# Altium PCB TTL Clock.PcbDoc (part 1 of 2) (continued)
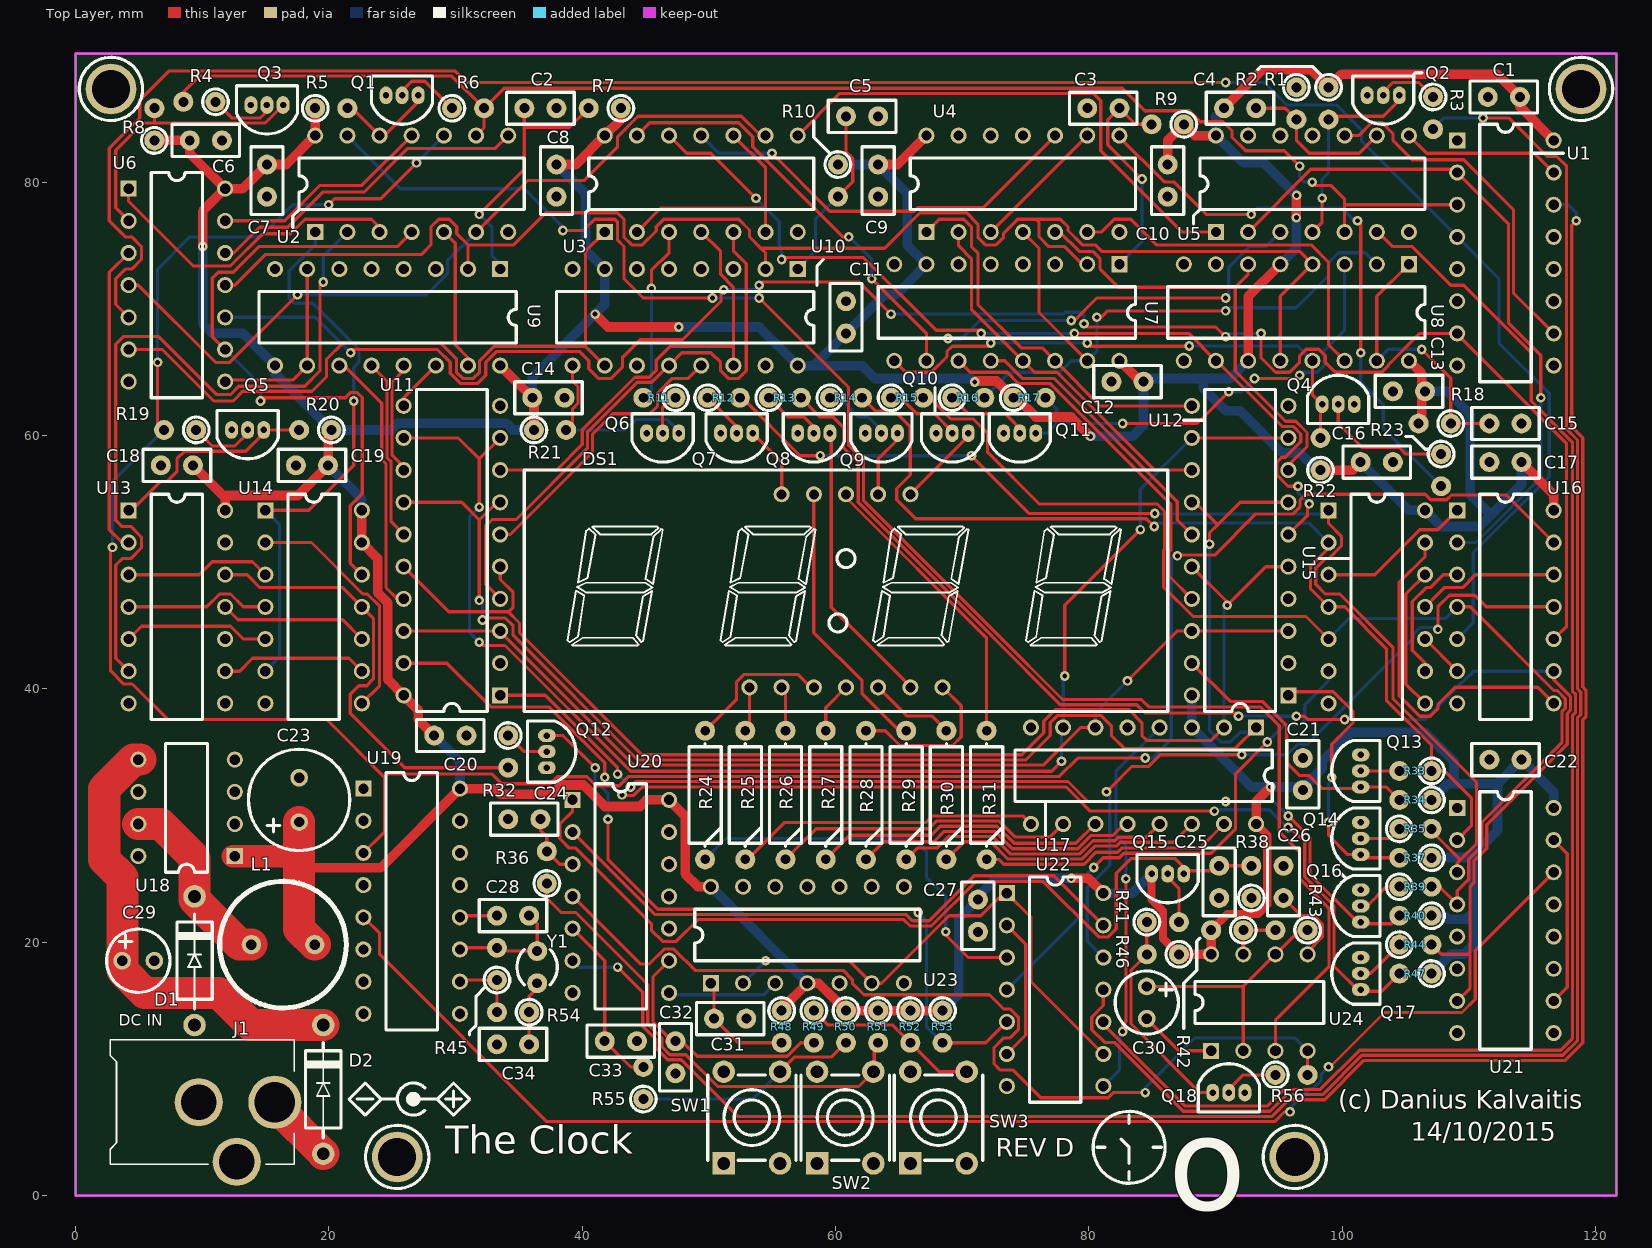
[diagram p0: Top Layer view]
## Footprints (in the part's own frame and the unit in brackets; to place one, negate y for a bottom-side part, rotate by r counter-clockwise, add the part's x,y. Pads: shape width x height; smd on the part's side, far side on the other; paste and mask are expansions set on the pad)
1N500X [mil]
  round 70 hole 40: A(0,0) K(400,0)
  silkscreen extent 50,-55 345,55, body extent -14,-56 416,56, height 116
C_Pol_Radial_22uF [mil] "2.5mm diameter"
  round 55 hole 32: 1(-50,0) 2(50,0)
  silkscreen extent -98,-98 98,98, body extent -100,-100 100,100, height 521
C_POL_Radial_220uF [mil] "8mmx12mm 3.5mm pitch"
  round 55 hole 32: 1(-68.9,0) 2(68.9,0)
  silkscreen extent -157,-157 157,157, body extent -157,-157 158,157, height 484
CONN_PWR_JACK_2.1x5.5mm [mil]
  round 165 hole 126: 1(0,-539.37)
  round 150 hole 110: 2(0,-303.15) 3(-185.04,-421.26)
  silkscreen extent -193,-600 194,-28, body extent -193,-555 177,0, height 433
"CTH radial 100mil" [mil] "Capacitor through hole radial 100mil pitch"
  round 62 hole 31: 1(0,0) 2(100,0)
  silkscreen extent -55,-50 155,50, body extent -58,-49 158,49, height 217
DIP8 [mil]
  rect 50x50 hole 33: 1(0,0)
  round 50 hole 33: 2(0,-100) 3(0,-200) 4(0,-300) 5(300,-300) 6(300,-200) 7(300,-100) 8(300,0)
  silkscreen extent 85,-350 215,50, body extent -4,-345 304,45, height 180
DIP14 [mil]
  rect 50x50 hole 32: 1(0,0)
  round 50 hole 32: 2(0,-100) 3(0,-200) 4(0,-300) 5(0,-400) 6(0,-500) 7(0,-600) 8(300,-600) 9(300,-500) 10(300,-400) 11(300,-300) 12(300,-200) 13(300,-100) 14(300,0)
  silkscreen extent 70,-650 230,50, body extent 0,-675 310,75, height 165
DIP16 [mil]
  rect 50x50 hole 32: 1(0,0)
  round 50 hole 32: 2(0,-100) 3(0,-200) 4(0,-300) 5(0,-400) 6(0,-500) 7(0,-600) 8(0,-700) 9(300,-700) 10(300,-600) 11(300,-500) 12(300,-400) 13(300,-300) 14(300,-200) 15(300,-100) 16(300,0)
  silkscreen extent 70,-750 230,50, body extent -5,-775 305,75, height 165
DIP20 [mil]
  rect 50x50 hole 32: 1(0,0)
  round 50 hole 32: 2(0,-100) 3(0,-200) 4(0,-300) 5(0,-400) 6(0,-500) 7(0,-600) 8(0,-700) 9(0,-800) 10(0,-900) 11(300,-900) 12(300,-800) 13(300,-700) 14(300,-600) 15(300,-500) 16(300,-400) 17(300,-300) 18(300,-200) 19(300,-100) 20(300,0)
  silkscreen extent 40,-951 260,50, body extent -3,-953 303,55, height 177
"ELC10D inductor" [mil]
  round 60 hole 32: 1(-98.43,0) 2(98.43,0)
  silkscreen extent -197,-197 197,197, body extent -197,-196 197,197, height 471
"LED DISPLAY 4x7seg clock red" [mil]
  round 50 hole 31: A(-100,300) B(300,-300) C(0,-300) COM1(-200,300) COM2(100,300) COM3(200,300) COM4(200,-300) D(-200,-300) DP(-100,-300) E(-300,-300) F(0,300) G(100,-300)
  silkscreen extent -1000,-375 1000,375, body extent -990,-374 990,374, height 374
R-vertical [mil] "Axial resistor vertically mounted"
  round 62 hole 31: 1(0,0) 2(0,-100)
  silkscreen extent -40,-40 40,40, body extent -36,-109 35,35, height 263
SW-PB-6x6-20 [mil] "Push-button 6x6mm 20mm height"
  rect 70x70 hole 40: 1(-142.5,87.5)
  round 70 hole 40: 2(142.5,-87.5) 3(-142.5,-87.5) 4(142.5,87.5)
  silkscreen extent -132,-138 132,138, body extent -153,-118 154,118, height 811
THR1/4-GENERIC [mil] "Through hole resistor axial 250mW"
  round 62 hole 30: 1(0,0) 2(0,-400)
  silkscreen extent -50,-360 50,-40, body extent -46,-410 46,10, height 96
TO92 [mil]
  oval 40x55 hole 20: 1(-50,0) 2(0,0) 3(50,0)
  silkscreen extent -95,-60 95,90, body extent -98,-60 98,98, height 276
"XTAL through hole" [mil]
  round 62 hole 31: 1(0,0) 2(100,0)
  silkscreen extent -5,-63 105,63, body extent -5,-43 105,40, height 323

## Part data
C1 C2 C3 C4 C5 C6 C7 C8 C9 C10 C11 C12 C13 C14 C15 C16 C17 C18 C19 C20 C21 C22 C24 C25 C26 C27 C28 C31 C32 C33 C34: library part "Capacitor radial TH 100mil", "Ceramic capacitor through hole 100mil pitch"
  C1 C2 C3 C4 C5 C6 C7 C8 C9 C10 C11 C12 C13 C14 C15 C16 C17 C18 C19 C20 C21 C22 C24 C25 C26 C27 C31 C32 C33: Capacitance=100nF, Specifications=100nF
  C28: Capacitance=33pF, Specifications=33pF
  C34: Capacitance=10pF, Specifications=10pF
C23 C29 C30: library part CapPol, "Capacitor polarised"
  C23: Capacitance=220uF, Specifications=220uF
  C29 C30: Capacitance=22uF, Specifications=22uF
D1 D2: "Schottky Diodes & Rectifiers 40V 1A", ComponentLink1Description=Datasheet, ComponentLink1URL=https://eu.mouser.com/datasheet/2/345/1n5817-1n5819-24580.pdf, Specifications="1A 40V"
DS1: "LED Displays & Accessories 88:88 Clock Module 0.56in 4 Digits CC", ComponentLink1Description=Datasheet, ComponentLink1URL=https://www.broadcom.com/products/leds-and-displays/7-segment/through-hole/hdsp-b03e
J1: "Power Connector, THT, 2.1mm ID, 5.5mm OD", ComponentLink1Description=Datasheet, ComponentLink1URL=https://www.cui.com/product/resource/pj-102ah.pdf
L1: library part ELC09D331F, "Fixed Inductors 330uH 10% 46A Radial Choke Coil", ComponentLink1Description=Datasheet, ComponentLink1URL=https://eu.mouser.com/datasheet/2/315/AGB0000C1-1108071.pdf, Inductance=330uH, Specifications=330uH
Q1 Q2 Q3 Q4 Q5 Q6 Q7 Q8 Q9 Q10 Q11 Q12 Q13 Q14 Q16 Q17 Q18: "Bipolar Transistors - BJT NPN 45V 100mA HFE/800", ComponentLink1Description=Datasheet, ComponentLink1URL=https://eu.mouser.com/datasheet/2/308/BC547-1118654.pdf
Q15: "Bipolar Transistors - BJT PNP -45V -100mA HFE/220", ComponentLink1Description=Datasheet, ComponentLink1URL=https://eu.mouser.com/datasheet/2/308/BC557-1118720.pdf
R1 R2 R3 R4 R5 R6 R7 R8 R9 R10 R11 R12 R13 R14 R15 R16 R17 R18 R19 R20 R21 R22 R23 R24 R25 R26 R27 R28 R29 R30 R31 R32 R33 R34 R35 R36 R37 R38 R39 R40 R41 R42 R43 R44 R45 R46 R47 R48 R49 R50 R51 R52 R53 R54 R55 R56: library part R-THR1/4-GENERIC, "GENERIC THROUGH HOLE 1/4 WATT RESISTOR"
  R1 R7 R9 R10 R18 R36 R48 R49 R55: Resistance=15k, Specifications=15k
  R2 R3 R4 R5 R6 R8 R11 R16 R17 R19 R20 R21 R22 R23 R32 R33 R34 R35 R37 R39 R40 R41 R44 R46 R47 R50 R51 R52 R53 R56: Resistance=10k, Specifications=10k
  R12 R13 R14 R15: Resistance=1k, Specifications=1k
  R24 R25 R26 R27 R28 R29 R30 R31: Resistance=220R, Specifications=220R
  R38: Resistance=6.8M, Specifications=6.8M
  R42 R43: Resistance=4.7k, Specifications=4.7k
  R45: Resistance=10M, Specifications=10M
  R54: Resistance=560k, Specifications=560k
SW1 SW2 SW3: library part SW-PB-6x6-20, "Switch push-button 6x6mm 20mm height"
U1 U21: "Johnson decade counter with 10 decoded outputs", ComponentLink1Description=Datasheet, ComponentLink1URL=http://www.ti.com/lit/ds/symlink/cd74hc4017.pdf
U2 U3 U4 U16 U22: "Quadruple 2-Input Positive-AND Gate", ComponentLink1Description=Datasheet, ComponentLink1URL=http://www.ti.com/lit/ds/symlink/sn74hc08.pdf
U5 U6 U15: "IC GATE OR 4CH 2-INP 14DIP", ComponentLink1Description=Datasheet, ComponentLink1URL=http://www.ti.com/lit/ds/symlink/sn74hc32.pdf
U7 U9 U10: "Presettable synchronous BCD  decade counter; asynchronous  reset", ComponentLink1Description=Datasheet, ComponentLink1URL=https://assets.nexperia.com/documents/data-sheet/74HC160.pdf
U8: "Dual JK flip-flop with set and reset, positive edge clk", ComponentLink1Description=Datasheet, ComponentLink1URL=http://www.ti.com/lit/ds/symlink/sn74hc109.pdf
U11 U12: "Octal buffer/line driver; 3-state", ComponentLink1Description=Datasheet, ComponentLink1URL=http://www.ti.com/lit/ds/symlink/sn74hc244.pdf
U13: "7-stage binary ripple counter", ComponentLink1Description=Datasheet, ComponentLink1URL=http://www.ti.com/lit/ds/symlink/cd74hc4024.pdf
U14: "Triple 3-input AND gate", ComponentLink1Description=Datasheet, ComponentLink1URL=http://www.ti.com/lit/ds/symlink/sn74hc11.pdf
U17: "IC DRVR 7 SEGMENT 1 DIGIT 16DIP", ComponentLink1Description=Datasheet, ComponentLink1URL=http://www.ti.com/lit/ds/symlink/cd74hc4511.pdf
U18: "Buck, Boost, Buck-Boost Switching Regulator IC Positive or Negative Fixed 5V 1 Output 500mA 8-DIP (0.300\", 7.62mm)", ComponentLink1Description=Datasheet, ComponentLink1URL=https://media.digikey.com/pdf/Data%20Sheets/ON%20Semiconductor%20PDFs/LM2574.pdf
U19: "14-stage binary ripple counter with oscillator"
U20: "IC INVERTER SCHMITT 6CH 14DIP", ComponentLink1Description=Datasheet, ComponentLink1URL=https://media.digikey.com/pdf/Data%20Sheets/Toshiba%20PDFs/TC74HC14.pdf
U23: "IC FF D-TYPE DUAL 1BIT 14DIP", ComponentLink1Description=Datasheet, ComponentLink1URL=http://www.ti.com/lit/ds/symlink/sn74hc74.pdf
U24: "555 Type, Timer/Oscillator (Single) IC 100kHz 8-PDIP", ComponentLink1Description=Datasheet, ComponentLink1URL=http://www.ti.com/lit/ds/symlink/ne555.pdf
Y1: library part AB26T-32.768KHZ, "Crystal Oscillator 32.768kHz", ComponentLink1Description=Datasheet, ComponentLink1URL=https://abracon.com/Resonators/AB26T.pdf, Frequency=32.768kHz, Specifications=32.768kHz

## Free pads (board coordinates)
  round 4 hole 3: 0(2.794,87.376) 0(25.4,3.048) 0(96.266,3.048) 0(118.872,87.376)

## Via types
v1: diameter 0.762, hole 0.381, Top Layer to Bottom Layer, 107 vias

## Nets (pads, with @x,y where several pads share a name; then routed paths per layer and width w, separated by ;. In a path a pad name is that pad's centre, name@x,y a point inside that pad or via, vN(x,y) a via of type N, cw(c..) or ccw(c..) an arc to the next point about the centre after c; other vN are vias at no path point)
1HZ: R32.2 U13.12 U14.11 | length 36
  Top Layer w0.254: U13.12@11.811,49.022 13.549,49.022 14.565,48.006 21.082,48.006 U14.11@22.606,46.482 23.52,45.568 23.52,40.792 22.987,40.259 22.372,40.259 21.692,39.579 21.692,38.075 25.984,33.782 R32.2@34.163,33.782
2HZ: R19.2 U2.10 U16.13 U19.3 | length 205.8
  Top Layer w0.254: v1(2.921,51.181) 2.769,51.029 2.769,41.427 3.81,40.386 4.496,40.386 7.29,37.592 19.812,37.592 24.384,33.02 ; v1(6.477,65.786) 6.477,60.96 R19.2@6.985,60.452 ; v1(19.979,78.232) 20.445,78.698 24.088,78.698 v1(26.924,81.534) ; U19.3@22.733,27.051 24.384,28.702 24.384,33.02 ; v1(84.455,34.544) 79.121,34.544 77.673,33.096 43.672,33.096 42.935,32.36 41.091,32.36 40.38,33.071 38.024,33.071 37.465,32.512 33.655,32.512 32.893,33.274 24.638,33.274 24.384,33.02 ; v1(86.995,50.51) 87.056,50.571 89.941,50.571 93.193,53.823 96.137,53.823 96.672,54.358 96.672,54.889 97.155,55.372 106.576,55.372 107.008,54.94 108.266,54.94 108.642,55.316 112.959,55.316 U16.13@116.713,51.562
  Bottom Layer w0.254: v1(2.921,51.181) 2.921,56.388 R19.2@6.985,60.452 ; v1(6.477,65.786) 6.477,73.152 9.017,75.692 14.605,75.692 17.145,78.232 v1(19.979,78.232) ; v1(26.924,81.534) U2.10@29.083,83.693 ; v1(84.455,34.544) 85.014,34.544 86.512,36.043 86.512,50.317 86.705,50.51 v1(86.995,50.51)
5V: C1.2 C4.1 C6.2 C7.2 C8.2 C9.2 C10.2 C11.2 C12.2 C13.2 C14.2 C16.2 C17.2 C18.2 C19.2 C20.2 C21.2 C22.2 C23.1 C27.2 L1.2 Q15.3 R2.1 R5.1 R7.1 R8.1 R9.1 R10.1 R17.1 R18.2 R20.1 R21.1 R22.1 R34.1 R37.1 R40.1 R42.2 R46.1 R47.1 R48.1 R50.1 R51.1 R52.1 R53.1 U1.16 U2.14 U3.14 U4.14 U5.14 U6.14 U7.7 U7.16 U8.5 U8.11 U8.16 U9.9 U9.16 U10.7 U10.16 U11.20 U12.20 U13.14 U14.13 U14.14 U15.14 U16.14 U17.3 U17.16 U18.1 U19.16 U20.14 U21.16 U22.14 U23.4 U23.14 U24.8 | length 560.5
  Top Layer w0.635: Q15.3@84.963,25.4 84.963,23.368 85.865,22.466 85.865,20.307 R46.1@87.122,19.05 ; R42.2@89.662,20.955 90.945,22.238 93.358,22.238 94.094,22.974 94.094,28.461 U17.16@93.218,29.337
  Top Layer w0.762: R8.1@5.969,83.312 R8.1@6.223,83.312 C6.2@9.017,83.312 9.017,82.296 U6.14@11.811,79.502 ; C18.2@9.271,57.658 11.811,55.118 ; v1(10.033,74.93) 10.033,77.724 U6.14@11.811,79.502 ; U13.14@11.811,54.102 11.811,55.118 ; 17.653,26.797 17.399,26.543 17.399,25.908 17.424,25.883 17.653,25.883 24.105,25.883 U19.16@30.353,32.131 33.102,32.131 33.534,31.699 37.676,31.699 38.387,32.41 40.107,32.41 41.796,30.721 44.564,30.721 45.085,31.242 U20.14@46.863,31.242 48.133,29.972 48.133,25.4 49.149,24.384 U23.14@50.165,24.384 ; R5.1@18.923,85.852 U2.14@18.923,83.693 16.637,81.407 C7.2@15.113,81.407 13.208,79.502 U6.14@11.811,79.502 ; R20.1@20.193,60.452 19.939,60.198 C19.2@19.939,57.658 17.551,55.27 11.963,55.27 11.811,55.118 ; U14.14@22.606,54.102 U14.13@22.606,51.562 23.851,50.317 23.851,47.608 24.663,46.795 24.663,40.742 U11.20@25.908,39.497 27.051,38.354 27.051,37.592 C20.2@28.321,36.322 ; U9.16@33.528,65.532 C14.2@36.068,62.992 36.195,62.865 R21.1@36.195,60.452 ; C8.2@37.973,81.407 39.497,81.407 U3.14@41.783,83.693 43.053,84.963 R7.1@43.053,85.852 ; v1(41.021,69.596) 42.037,68.58 v1(47.625,68.58) ; U10.7@41.783,72.98 U10.7@41.783,73.152 ; R48.1@55.753,14.732 U23.4@57.785,16.764 58.673,16.764 59.841,15.596 59.842,15.596 R50.1@60.833,14.605 R51.1@63.373,14.605 R52.1@65.913,14.605 R53.1@68.453,14.605 ; C9.2@63.373,81.407 64.897,81.407 U4.14@67.183,83.693 ; v1(70.993,64.237) 71.069,64.313 72.72,64.313 R17.1@74.041,62.992 74.295,62.992 75.819,61.468 78.613,61.468 v1(80.137,59.944) ; v1(78.613,25.044) 79.961,25.044 80.012,24.994 80.035,24.994 U22.14@81.153,23.876 ; U7.16@82.423,65.913 84.074,64.262 C12.2@84.328,64.262 ; C10.2@86.233,81.407 86.233,83.312 R9.1@87.503,84.582 88.392,83.693 U5.14@90.043,83.693 ; R46.1@87.122,19.05 U24.8@89.662,19.05 R42.2@89.662,20.955 ; C4.1@90.678,85.852 93.726,88.9 97.536,88.9 R2.1@98.933,87.503 99.974,88.544 112.243,88.544 C1.2@114.046,86.741 114.046,85.979 U1.16@116.713,83.312 ; U8.11@92.583,65.913 92.583,70.993 U8.5@95.123,73.533 ; U17.16@93.218,29.337 93.218,31.115 v1(94.361,32.258) ; v1(96.393,77.216) 96.393,78.949 v1(96.415,78.972) ; R22.1@98.298,57.277 100.838,57.277 C16.2@101.473,57.912 ; U8.16@105.283,65.913 106.299,64.897 106.299,61.214 R18.2@106.045,60.96 ; C17.2@114.173,57.912 116.713,55.372 U16.14@116.713,54.102
  Top Layer w1.778: U18.1@12.421,26.797 U18.1@12.573,26.797 17.653,26.797
  Top Layer w2.54: C23.1@17.653,29.492 17.653,26.797 17.653,25.883 17.653,21.042 L1.2@18.883,19.812
  Bottom Layer w0.762: v1(10.033,74.93) 10.033,68.834 10.795,68.072 13.208,68.072 U9.9@15.748,65.532 15.748,64.897 R20.1@20.193,60.452 24.891,60.452 25.424,60.985 34.012,60.985 34.545,60.452 R21.1@36.195,60.452 ; C19.2@19.939,57.658 22.606,54.991 U14.14@22.606,54.102 ; C20.2@28.321,36.322 30.353,34.29 U19.16@30.353,32.131 ; C14.2@36.068,62.992 36.068,64.643 v1(41.021,69.596) 41.783,70.358 U10.7@41.783,73.152 40.259,74.676 40.259,79.121 C8.2@37.973,81.407 ; v1(47.625,68.58) 53.975,68.58 U10.16@57.023,65.532 58.293,65.532 ; U23.14@50.165,24.384 U23.4@57.785,16.764 ; R10.1@60.198,81.407 C9.2@63.373,81.407 65.659,79.121 65.659,75.057 U7.7@67.183,73.533 64.77,71.12 63.881,71.12 C11.2@60.833,68.072 58.293,65.532 ; R53.1@68.453,14.605 69.723,15.875 69.723,21.844 C27.2@71.247,23.368 71.247,23.614 72.677,25.044 v1(78.613,25.044) ; v1(70.993,64.237) 70.714,64.516 63.119,64.516 62.103,65.532 58.293,65.532 ; v1(80.137,59.944) 83.439,59.944 84.328,60.833 C12.2@84.328,64.262 84.582,64.516 89.027,64.516 ; U22.14@81.153,23.876 83.439,23.876 Q15.3@84.963,25.4 ; U12.20@88.138,39.497 U17.3@88.138,36.957 92.837,32.258 v1(94.361,32.258) C21.2@96.647,32.258 ; C4.1@90.678,85.852 90.043,85.217 U5.14@90.043,83.693 92.202,81.534 93.853,81.534 v1(96.415,78.972) ; U8.11@92.583,65.913 91.186,64.516 89.027,64.516 ; U8.5@95.123,73.533 96.393,74.803 v1(96.393,77.216) ; C21.2@96.901,32.004 96.901,32.18 98.425,33.704 98.425,34.29 100.711,36.576 106.553,36.576 108.839,34.29 108.839,32.766 ; R22.1@98.298,57.277 98.044,57.277 96.672,58.649 95.274,58.649 91.947,61.976 90.805,61.976 89.027,63.754 89.027,64.516 ; C16.2@101.473,57.912 105.283,54.102 U15.14@106.553,54.102 107.823,52.832 110.871,52.832 111.76,53.721 ; C13.2@106.553,63.5 108.331,63.5 110.109,61.722 110.109,55.372 111.76,53.721 ; R47.1@107.061,17.526 107.061,17.527 108.609,19.075 109.626,19.075 110.363,19.812 110.363,22.352 ; R40.1@107.061,22.098 108.077,22.098 108.356,21.819 109.83,21.819 110.363,22.352 ; R37.1@107.061,26.67 107.061,26.695 110.134,26.695 ; R34.1@107.061,31.242 108.331,32.512 112.268,32.512 ; C17.2@114.173,57.912 114.173,56.134 111.76,53.721 ; U21.16@116.713,30.607 116.713,31.877 C22.2@114.173,34.417 112.268,32.512 ; 110.134,26.695 110.363,26.467 110.363,22.352 ; 110.134,26.695 112.268,28.829 112.268,32.512
BLANK: U20.2 U22.13 | length 47.9
  Top Layer w0.254: U20.2@39.243,28.702 45.745,22.2 65.557,22.2 66.065,21.692 67.412,21.692 70.968,25.248 77.241,25.248 U22.13@81.153,21.336
BTN: U2.13 U24.3 | length 129.8
  Top Layer w0.254: v1(38.481,76.2) 40.101,76.2 40.99,77.089 42.576,77.089 42.799,76.866 42.799,75.442 43.307,74.934 43.307,72.39 44.831,70.866 v1(50.292,70.866) ; v1(53.975,70.866) 61.036,63.805 61.036,59.233 62.205,58.064 62.205,54.896 72.746,44.355 72.746,44.347 77.926,39.167 84.15,39.167 84.734,38.583 93.558,38.583 95.033,37.107 95.033,28.716 96.647,27.102 96.647,25.013 98.958,22.701 98.958,18.059 94.742,13.843 U24.3@94.742,11.43
  Bottom Layer w0.254: U2.13@21.463,83.693 25.654,79.502 35.433,79.502 38.608,76.327 v1(38.481,76.2) ; v1(50.292,70.866) v1(53.975,70.866)
CLOCK: U6.11 U7.2 U8.4 U8.12 U9.2 U10.2 | length 119.4
  Top Layer w0.254: U6.11@11.811,71.882 12.573,71.882 14.986,74.295 27.305,74.295 28.067,75.057 28.067,76.494 28.662,77.089 29.504,77.089 30.099,76.494 30.099,75.946 30.988,75.057 ; U9.2@30.988,73.152 30.988,75.057 ; U10.2@54.483,73.152 54.483,74.422 54.102,74.803 ; U7.2@79.883,73.533 79.502,73.533 78.105,74.93 76.835,74.93 76.073,75.692 76.073,76.835 75.819,77.089 ; U8.12@95.123,65.913 95.123,70.993 U8.4@97.663,73.533 96.647,74.549 81.022,74.549 80.514,75.057 79.502,75.057 78.359,76.2 78.359,76.494 77.764,77.089 75.819,77.089 ; 30.988,75.057 34.584,75.057 37.124,77.597 42.786,77.597 43.307,77.076 43.307,75.652 43.902,75.057 44.744,75.057 45.847,76.16 45.847,76.494 46.442,77.089 52.364,77.089 53.213,76.24 53.213,75.692 54.102,74.803 ; 54.102,74.803 63.881,74.803 66.675,77.597 70.358,77.597 71.247,76.708 71.247,75.652 71.842,75.057 72.684,75.057 73.279,75.652 73.279,75.986 74.382,77.089 75.819,77.089
GND: C1.1 C2.1 C3.1 C5.1 C6.1 C7.1 C8.1 C9.1 C10.1 C11.1 C12.1 C13.1 C14.1 C15.2 C16.1 C17.1 C18.1 C19.1 C20.1 C21.1 C22.1 C23.2 C24.1 C25.2 C26.2 C27.1 C28.2 C29.2 C30.2 C31.1 C32.1 C33.1 C34.2 D1.A J1.2 pad.0@25.4,3.048 pad.0@96.266,3.048 pad.0@118.872,87.376 Q1.3 Q2.3 Q3.3 Q4.3 Q5.3 Q6.3 Q7.3 Q8.3 Q9.3 Q10.3 Q11.3 Q12.3 Q13.3 Q14.3 Q16.3 Q17.3 Q18.3 R1.1 R38.1 SW1.1 SW2.1 SW3.1 U1.8 U1.13 U2.7 U3.7 U4.7 U5.7 U6.7 U7.3 U7.4 U7.5 U7.6 U7.8 U8.8 U9.3 U9.4 U9.5 U9.6 U9.8 U10.3 U10.4 U10.5 U10.6 U10.8 U11.2 U11.10 U12.2 U12.4 U12.10 U13.7 U14.7 U15.7 U16.7 U17.5 U17.8 U18.2 U18.3 U18.4 U18.6 U18.8 U19.8 U19.12 U20.7 U21.8 U21.13 U22.7 U23.7 U24.1 | length 8.9
  Top Layer w0.254: U19.12@30.734,22.098 C28.2@33.274,22.098 ; C30.2@84.582,13.97 87.122,11.43 U24.1@89.662,11.43 U24.1@89.662,11.176
NetC2_2: C2.2 R7.2 U9.1 | length 20.6
  Top Layer w0.254: v1(31.877,77.47) 35.433,81.026 35.433,84.328 ; C2.2@35.433,85.852 35.433,84.328 ; R7.2@40.513,85.852 38.989,84.328 35.433,84.328
  Bottom Layer w0.254: v1(31.877,77.47) 32.893,76.454 32.893,74.168 33.528,73.533 U9.1@33.528,73.152
NetC3_2: C3.2 R9.2 U7.1 | length 17.6
  Top Layer w0.254: v1(84.201,80.264) 81.509,82.956 81.509,84.938 C3.2@82.423,85.852 83.693,84.582 R9.2@84.963,84.582
  Bottom Layer w0.254: U7.1@82.423,73.533 84.201,75.311 v1(84.201,80.264)
NetC4_2: C4.2 R1.2 U5.9 | length 12.5
  Top Layer w0.254: C4.2@93.218,85.852 95.504,85.852 R1.2@96.393,84.963 96.393,83.312 97.409,82.296 101.346,82.296 U5.9@102.743,83.693
NetC5_2: C5.2 R10.2 U10.1 | length 14.1
  Top Layer w0.254: R10.2@60.198,78.867 61.366,80.035 61.366,81.891 60.833,82.424 C5.2@60.833,85.217
  Bottom Layer w0.254: U10.1@57.023,73.152 58.42,74.549 58.42,77.089 R10.2@60.198,78.867
NetC15_1: C15.1 R18.1 U8.1 U8.15 | length 22.5
  Top Layer w0.254: U8.15@102.743,65.913 102.743,70.993 U8.1@105.283,73.533 ; v1(106.299,66.802) 108.585,64.516 R18.1@108.585,60.96 C15.1@111.633,60.96
  Bottom Layer w0.254: U8.15@102.743,65.913 103.657,66.827 106.274,66.827 v1(106.299,66.802)
NetC24_2: C24.2 R36.2 U20.3 | length 5.2
  Top Layer w0.254: C24.2@36.703,29.718 36.703,28.829 37.211,28.321 R36.2@37.211,27.178 38.227,26.162 U20.3@39.243,26.162
NetC25_1: C25.1 Q15.1 R38.2 U20.1 | length 71.5
  Top Layer w0.254: U20.1@39.243,31.242 39.243,30.353 38.227,29.337 38.227,28.194 38.989,27.432 39.497,27.432 45.466,21.463 45.466,20.955 46.355,20.066 47.422,20.066 49.149,21.793 65.389,21.793 65.897,21.285 67.58,21.285 71.085,24.79 76.405,24.79 80.774,20.422 81.532,20.422 82.169,21.059 82.169,25.445 83.343,26.619 86.792,26.619 Q15.1@87.503,25.908 ; Q15.1@87.757,25.4 87.757,25.654 89.916,25.654 C25.1@90.297,26.035 R38.2@92.837,26.035
NetC26_1: C26.1 U24.5 | length 6.6
  Top Layer w0.254: C26.1@95.377,23.495 96.749,22.123 97.766,22.123 98.45,21.439 98.45,20.422 U24.5@97.282,19.253
NetC28_1: C28.1 R45.2 U19.11 Y1.2 | length 8.9
  Top Layer w0.254: U19.11@30.734,19.558 R45.2@33.274,19.558 33.528,19.304 Y1.2@36.449,19.304 36.449,21.463 C28.1@35.814,22.098
NetC29_1: C29.1 D2.K U18.5 | length 36.4
  Top Layer w2.54: U18.5@5.105,34.417 U18.5@4.953,34.417 4.583,34.417 2.261,32.094 2.261,26.553 3.703,25.11 3.703,18.542 3.703,17.76 5.461,16.002 11.303,16.002 13.843,13.462 D2.K@19.558,13.462
NetC30_1: C30.1 R43.1 U24.2 U24.6 | length 19
  Top Layer w0.254: C30.1@84.582,16.51 92.202,16.51 ; U24.2@92.202,11.43 92.202,16.51 ; R43.1@96.647,20.955 92.202,16.51
NetC31_2: C31.2 R48.2 U23.1 | length 8.7
  Top Layer w0.254: U23.1@50.419,16.51 C31.2@50.419,13.97 52.324,12.065 R48.2@55.753,12.065
NetC32_2: C32.2 R49.2 U20.9 | length 19.6
  Top Layer w0.254: U20.9@46.863,18.542 45.593,17.272 45.593,13.716 47.117,12.192 C32.2@47.371,12.192 47.879,12.192 49.073,10.998 56.195,10.998 57.262,12.065 R49.2@58.293,12.065
NetC33_2: C33.2 R55.2 U20.5 | length 14.3
  Top Layer w0.254: U20.5@39.243,21.59 U20.5@39.243,21.082 41.783,18.542 C33.2@41.783,12.192 43.815,10.16 R55.2@44.831,10.16
NetC34_1: C34.1 R54.1 Y1.1 | length 5.6
  Top Layer w0.254: C34.1@35.814,11.938 R54.1@35.814,14.478 35.814,15.748 Y1.1@37.084,17.018
NetD1_K: D1.K L1.1 U18.7 | length 14.8
  Top Layer w2.54: U18.7@4.953,29.337 6.731,29.337 9.398,26.67 D1.K@9.398,23.622 9.398,23.368 12.954,19.812 L1.1@13.883,19.812
NetD2_A: D2.A J1.1 | length 5.4
  Top Layer w2.54: J1.1@15.779,7.112 15.779,7.081 D2.A@19.558,3.302
NetDS1_A: DS1.A R29.2 | length 22
  Top Layer w0.254: DS1.A@58.293,55.372 58.293,44.45 62.103,40.64 62.103,39.624 65.024,36.703 R29.2@65.583,36.703
NetDS1_B: DS1.B R28.2 | length 12.8
  Top Layer w0.254: R28.2@62.408,36.703 63.93,36.703 65.099,35.535 69.242,35.535 69.926,36.219 69.926,38.659 DS1.B@68.453,40.132
NetDS1_C: DS1.C R27.2 | length 4.1
  Top Layer w0.254: R27.2@59.233,36.703 59.233,38.532 DS1.C@60.833,40.132
NetDS1_COM1: DS1.COM1 Q7.1 | length 5.8
  Top Layer w0.254: Q7.1@53.467,60.198 55.753,57.912 DS1.COM1@55.753,55.372
NetDS1_COM2: DS1.COM2 Q9.1 | length 5.5
  Top Layer w0.254: DS1.COM2@63.373,55.372 63.373,58.166 64.897,59.69 Q9.1@64.897,60.198
NetDS1_COM3: DS1.COM3 Q10.1 | length 7
  Top Layer w0.254: DS1.COM3@65.913,55.372 70.485,59.944 Q10.1@70.485,60.452
NetDS1_COM4: DS1.COM4 Q8.1 | length 22.9
  Top Layer w0.254: Q8.1@59.69,60.452 59.665,60.427 59.665,46.447 65.913,40.199 DS1.COM4@65.913,40.132
NetDS1_D: DS1.D R26.2 | length 3.6
  Top Layer w0.254: DS1.D@55.754,40.132 DS1.D@55.753,40.132 56.058,39.827 R26.2@56.058,36.703
NetDS1_DP: DS1.DP R24.2 | length 11.6
  Top Layer w0.254: R24.2@49.708,36.703 52.197,39.192 52.197,40.553 52.792,41.148 57.023,41.148 58.039,40.132 DS1.DP@58.293,40.132
NetDS1_E: DS1.E R25.2 | length 3.6
  Top Layer w0.254: R25.2@52.883,36.703 53.213,37.033 DS1.E@53.213,40.132
NetDS1_F: DS1.F R31.2 | length 23.3
  Top Layer w0.254: DS1.F@60.833,55.372 60.833,55.118 71.933,44.018 R31.2@71.933,36.703
NetDS1_G: DS1.G R30.2 | length 7.3
  Top Layer w0.254: DS1.G@63.881,40.132 DS1.G@63.373,40.132 65.634,37.871 67.589,37.871 R30.2@68.758,36.703
NetQ1_1: Q1.1 R5.2 U2.12 | length 7.8
  Top Layer w0.254: R5.2@21.463,85.852 21.844,85.852 U2.12@24.003,83.693 24.384,83.693 Q1.1@27.178,86.487
NetQ1_2: Q1.2 R6.1 | length 6.4
  Top Layer w0.254: Q1.2@25.781,86.868 25.781,87.224 26.543,87.986 27.584,87.986 R6.1@29.718,85.852 ; R6.1@29.402,85.852 R6.1@29.718,85.852 ; R6.1@29.718,86.487 R6.1@29.718,85.852
NetQ2_1: Q2.1 R2.2 U5.4 | length 15.6
  Top Layer w0.254: U5.4@97.663,76.073 98.425,76.835 v1(98.425,78.74) ; R2.2@98.933,84.963 99.187,85.217 103.251,85.217 Q2.1@104.521,86.487
  Bottom Layer w0.254: v1(98.425,78.74) 98.425,80.264 98.933,80.772 R2.2@98.933,84.963
NetQ2_2: Q2.2 R3.1 | length 5
  Top Layer w0.254: Q2.2@103.251,86.868 103.251,87.122 104.013,87.884 106.045,87.884 R3.1@107.188,86.741
NetQ3_1: Q3.1 R8.2 U6.2 | length 21.9
  Top Layer w0.254: U6.2@4.191,76.962 3.175,77.978 3.175,82.55 5.309,84.684 6.223,84.684 ; R8.2@6.223,85.852 6.223,84.684 ; Q3.1@16.383,86.106 16.383,86.072 14.995,84.684 6.223,84.684
NetQ3_2: Q3.2 R4.1 | length 5.3
  Top Layer w0.254: R4.1@11.049,86.36 12.319,85.09 14.605,85.09 15.113,85.598 Q3.2@15.113,86.106
NetQ4_2: Q4.2 R23.1 | length 10.7
  Top Layer w0.254: Q4.2@99.695,62.484 99.695,60.96 101.575,59.08 104.497,59.08 105.03,58.547 R23.1@107.823,58.547
NetQ5_1: Q5.1 R20.2 U13.1 | length 16.3
  Top Layer w0.254: U13.1@4.191,54.102 4.445,54.102 6.731,56.388 7.239,56.388 8.001,57.15 8.001,58.166 8.611,58.776 13.437,58.776 14.859,60.198 Q5.1@14.859,60.452 ; 15.367,60.452 R20.2@17.653,60.452
NetQ5_2: Q5.2 R19.1 | length 5.3
  Top Layer w0.254: R19.1@9.525,60.452 10.795,59.182 12.573,59.182 13.589,60.198 Q5.2@13.589,60.452
NetQ6_1: Q6.1 R21.2 U10.9 | length 15.8
  Top Layer w0.254: R21.2@38.735,60.452 39.243,60.452 39.243,62.118 39.675,62.55 39.675,63.866 39.243,64.297 U10.9@39.243,65.532
  Bottom Layer w0.254: R21.2@38.735,60.452 43.412,60.452 44.225,61.265 46.734,61.265 Q6.1@47.625,60.374 ; Q6.1@47.625,60.198 Q6.1@47.625,60.452
NetQ6_2: Q6.2 R11.1 | length 3.1
  Top Layer w0.254: Q6.2@46.355,60.198 46.355,62.23 R11.1@47.117,62.992
NetQ7_2: Q7.2 R12.1 | length 3.7
  Top Layer w0.254: R12.1@49.911,62.992 52.197,60.706 Q7.2@52.197,60.198
NetQ8_2: Q8.2 R13.1 | length 5
  Top Layer w0.254: R13.1@54.737,62.992 56.261,61.468 57.531,61.468 58.293,60.706 Q8.2@58.293,60.198
NetQ9_2: Q9.2 R14.1 | length 5.4
  Bottom Layer w0.254: R14.1@59.563,62.992 60.325,62.992 61.849,61.468 62.611,61.468 63.627,60.452 Q9.2@63.627,60.198
NetQ10_2: Q10.2 R15.1 | length 6.1
  Top Layer w0.254: R15.1@64.389,62.992 65.151,62.992 66.421,61.722 67.818,61.722 Q10.2@69.342,60.198
NetQ11_1: Q11.1 R17.2 U8.3 | length 36
  Top Layer w0.254: v1(82.677,60.96) 88.555,60.96 v1(91.059,63.464) ; v1(93.091,64.516) 96.393,64.516 v1(96.647,64.77)
  Bottom Layer w0.254: Q11.1@75.819,60.198 76.708,60.198 77.47,60.96 ; R17.2@76.581,62.992 77.47,62.103 77.47,60.96 ; v1(82.677,60.96) 77.47,60.96 ; v1(91.059,63.464) 92.039,63.464 v1(93.091,64.516) ; v1(96.647,64.77) 96.876,64.999 98.042,64.999 98.577,65.534 98.577,66.7 100.203,68.326 U8.3@100.203,73.533
NetQ11_2: Q11.2 R16.1 | length 6.9
  Top Layer w0.254: R16.1@69.215,62.992 70.485,61.722 73.406,61.722 Q11.2@74.93,60.198
NetQ12_1: Q12.1 R53.2 U22.5 | length 56.1
  Top Layer w0.254: Q12.1@36.957,36.576 36.957,36.322 Q12.1@37.211,36.322 38.481,36.322 v1(41.021,33.782) ; v1(42.037,29.718) 42.037,26.543 45.974,22.606 66.294,22.606 v1(66.548,22.352) ; R53.2@68.453,12.065 71.882,12.065 U22.5@73.533,13.716
  Bottom Layer w0.254: v1(41.021,33.782) 41.021,32.766 42.037,31.75 v1(42.037,29.718) ; v1(66.548,22.352) 67.183,21.717 67.183,13.335 R53.2@68.453,12.065
NetQ12_2: Q12.2 R32.1 | length 3.4
  Top Layer w0.254: R32.1@34.163,36.322 35.433,35.052 36.703,35.052 Q12.2@36.957,34.798
NetQ13_1: Q13.1 R34.2 U12.19 | length 22.6
  Top Layer w0.254: U12.19@88.138,42.037 91.161,39.014 93.701,39.014 95.631,37.084 95.631,34.162 96.62,33.172 97.385,33.172 98.426,32.131 Q13.1@101.6,32.131 ; Q13.1@101.727,32.004 101.981,32.258 103.505,32.258 R34.2@104.521,31.242
NetQ13_2: Q13.2 R33.2 | length 3.1
  Top Layer w0.254: Q13.2@101.6,33.909 101.981,33.528 R33.2@104.521,33.528
NetQ14_1: Q14.1 R37.2 U12.1 | length 22.8
  Top Layer w0.254: U12.1@95.758,39.497 96.037,39.776 99.312,39.776 100.863,38.225 100.863,37.318 99.187,35.642 v1(99.187,33.02) ; v1(98.933,29.464) 98.933,28.448 100.457,26.924 Q14.1@101.473,26.924 101.727,26.67 R37.2@104.521,26.67
  Bottom Layer w0.254: v1(98.933,29.464) 98.933,32.512 99.187,32.766 v1(99.187,33.02)
NetQ14_2: Q14.2 R35.1 | length 3.4
  Top Layer w0.254: Q14.2@101.6,28.575 101.981,28.194 103.759,28.194 R35.1@104.521,28.956
NetQ15_2: Q15.2 R41.2 | length 4.3
  Top Layer w0.254: Q15.2@85.979,25.4 87.122,24.257 R41.2@87.122,21.59